# KiCad board rabbit_mask_capacitors_right.kicad_pcb (continued)
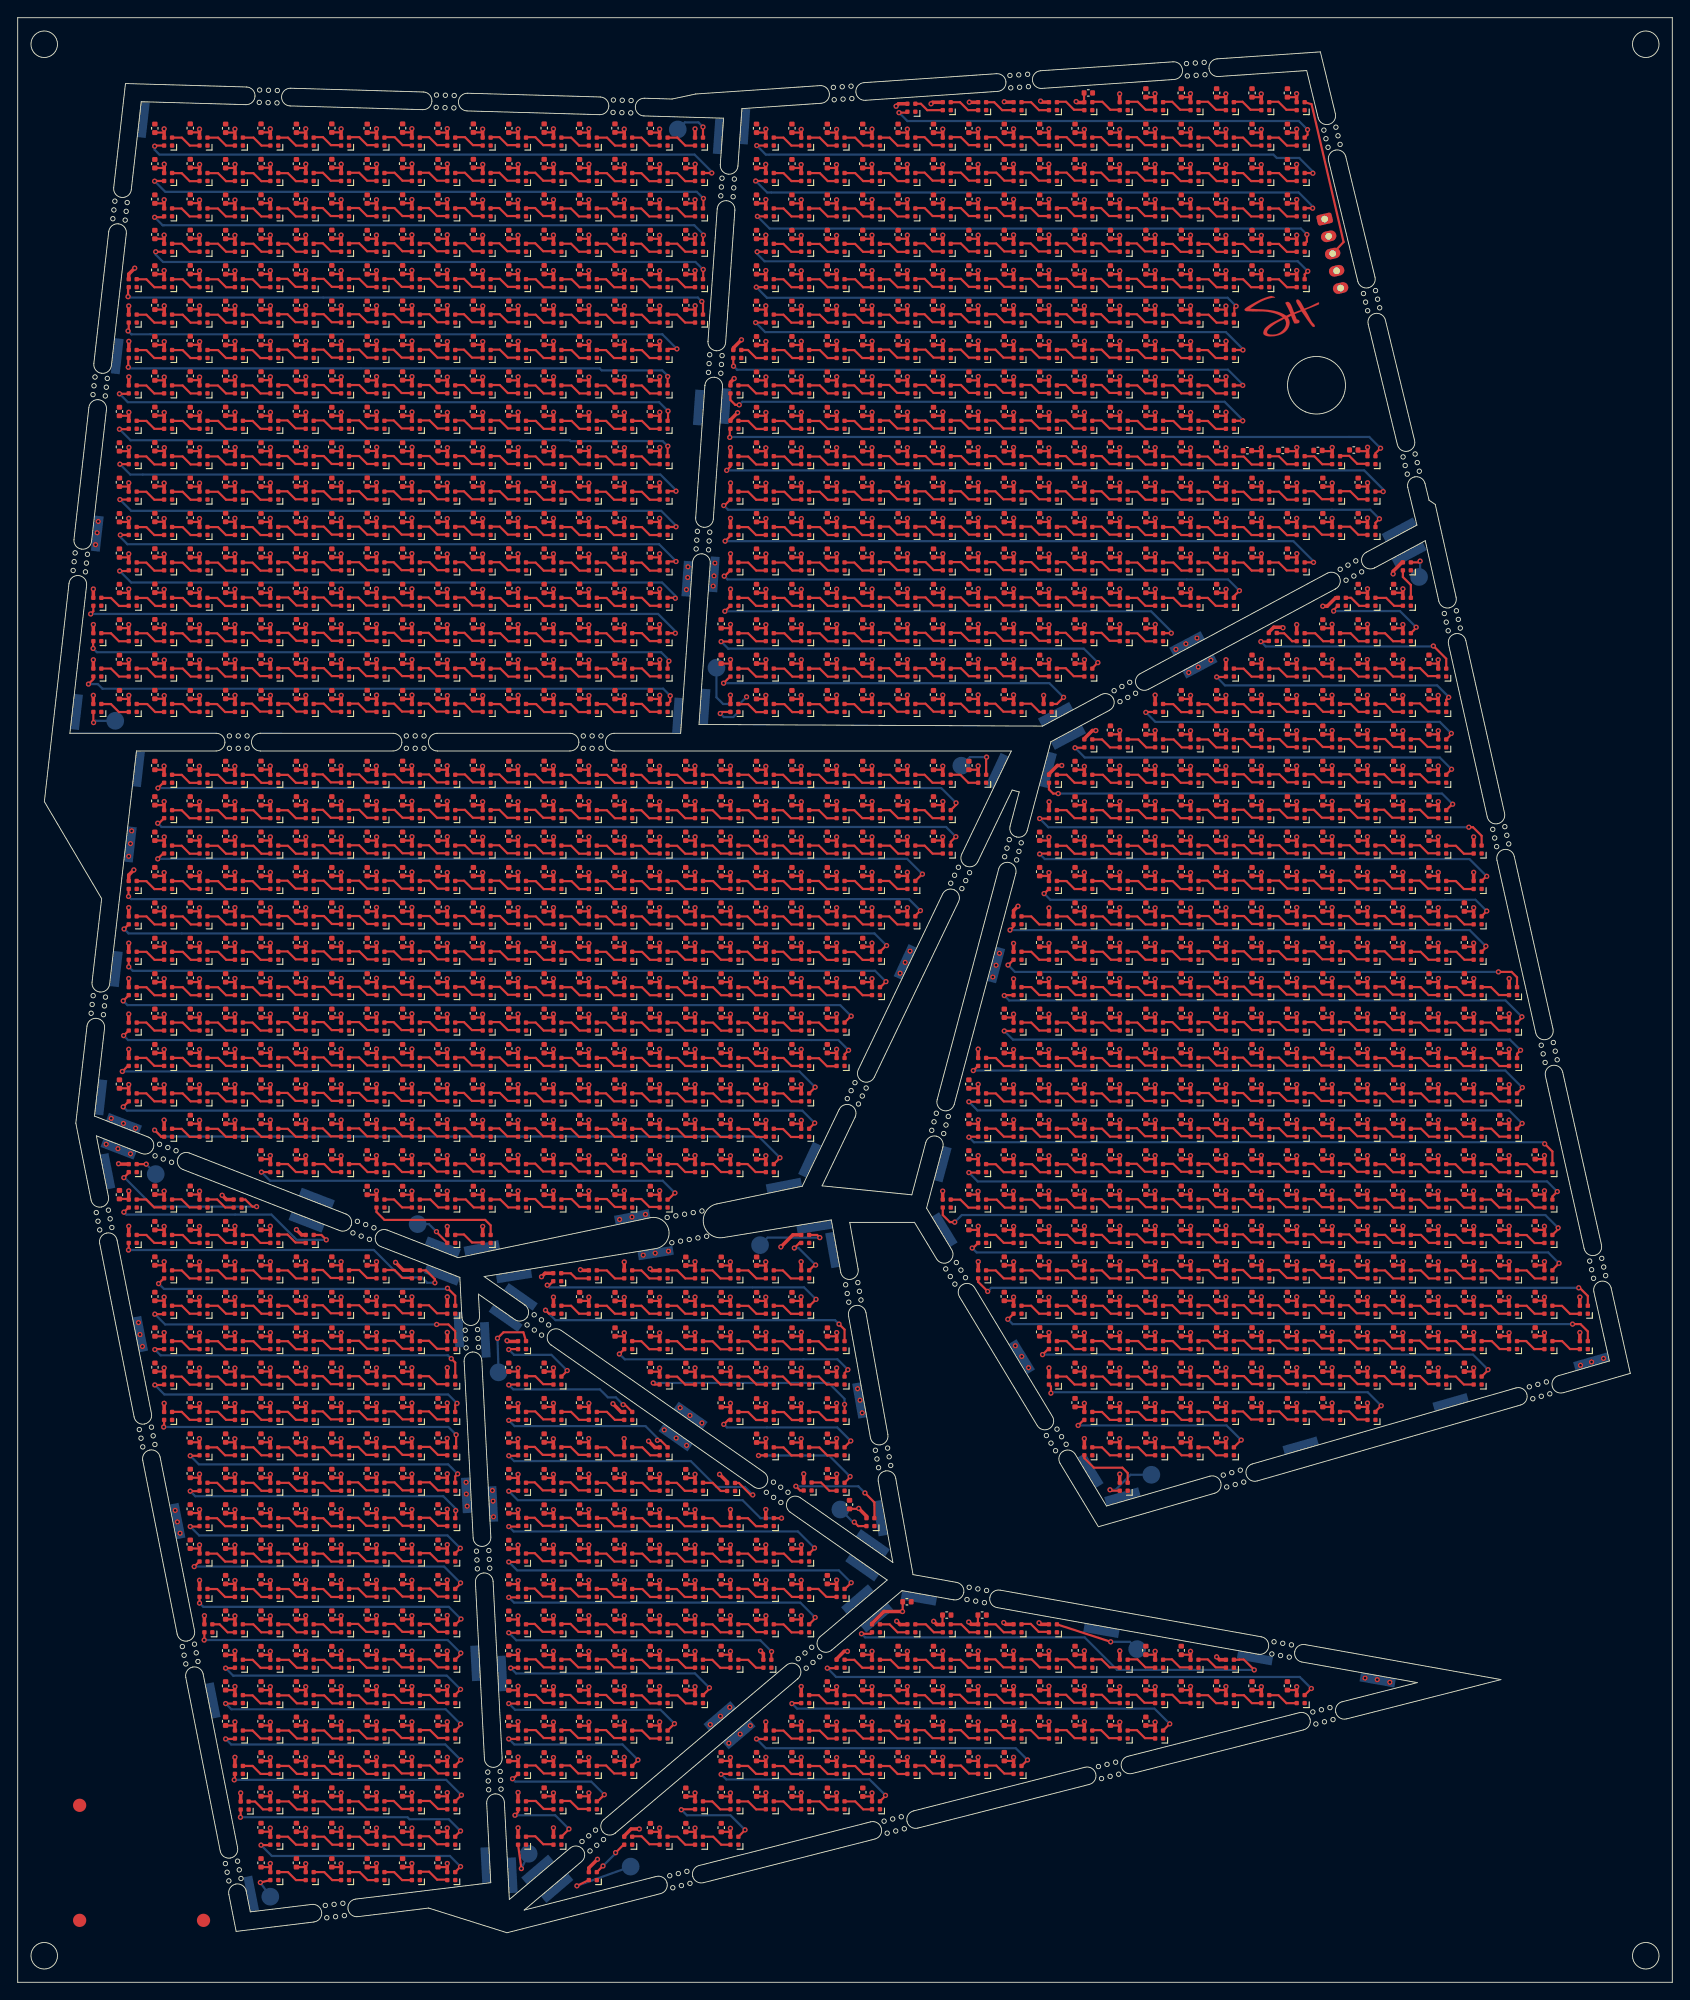
[diagram p0: board, top side]
## Routing (per net, layer and track width the routed paths; a pad name or vN(x,y) marks a point on that pad's centre or on a via; arc(x,y) is an arc through that point) (continued)
  Top w0.4: v1(107.55,212.45) 107.56,212.44 108.54,212.44 ; 96.55,32.43 v1(96.55,33.4) ; 60.56,188.47 v1(60.56,189.44) ; 56.55,40.43 v1(56.55,41.4) ; D2359.2 v1(140.55,109.43) ; D2907.2 v1(104.55,29.43) ; D2218.2 v1(156.55,125.42) ; 52.55,100.44 v1(52.55,101.42) ; 20.55,68.43 v1(20.55,69.4) ; 80.55,20.43 v1(80.55,21.4) ; 12.57,172.46 v1(12.57,173.44) ; D1930.2 v1(24.55,157.43) ; 120.55,188.44 v1(120.55,189.41) ; D2765.2 v1(40.55,53.43) ; D2242.2 v1(96.55,121.42) ; 132.54,212.44 v1(132.54,213.41) ; 16.55,108.41 v1(16.55,109.39) ; 48.55,160.42 v1(48.55,161.39) ; 96.56,164.45 v1(96.56,165.43) ; 88.55,200.44 v1(88.55,201.42) ; 100.55,200.47 v1(100.55,201.44) ; 152.54,88.43 v1(152.54,89.41) ; 160.55,136.46 v1(160.55,137.44) ; 88.54,204.43 v1(88.54,205.4) ; 144.55,136.46 v1(144.55,137.44) ; 104.55,172.44 v1(104.55,173.42) ; D1710.2 80.9,184.47 80.9,184.7 v1(81.8,185.6) ; 32.56,180.44 v1(32.56,181.41) ; 168.56,104.46 v1(168.56,105.44) ; 132.56,176.42 v1(132.56,177.39) ; 72.55,88.47 v1(72.55,89.45) ; 116.54,88.43 v1(116.54,89.41) ; 16.56,184.43 v1(16.56,185.4) ; 28.54,136.46 v1(28.54,137.44) ; D2621.2 v1(136.55,77.43) ; 40.55,16.45 v1(40.55,17.43) ; 20.55,84.44 v1(20.55,85.41) ; 136.55,136.43 v1(136.55,137.4) ; D2787.2 v1(64.55,49.43) ; 120.56,84.46 v1(120.56,85.44) ; 164.54,88.43 v1(164.54,89.41) ; 100.56,164.45 v1(100.56,165.43) ; D2906.2 v1(100.55,29.43) ; 156.55,68.43 v1(156.55,69.4) ; 64.55,120.44 v1(64.55,121.41) ; D2879.2 v1(104.55,33.43) ; 24.56,188.44 v1(24.56,189.42) ; 88.54,80.46 v1(88.54,81.43) ; 60.55,208.46 v1(60.55,209.44) ; 108.55,104.47 v1(108.55,105.45) ; 144.55,200.47 v1(144.55,201.44) ; 60.55,20.43 v1(60.55,21.4) ; 140.55,32.43 v1(140.55,33.4) ; 60.55,28.43 v1(60.55,29.4) ; 116.55,116.42 v1(116.55,117.4) ; D2880.2 v1(108.55,33.43) ; D2677.2 v1(76.55,69.43) ; 92.55,28.43 v1(92.55,29.4) ; 136.56,184.46 v1(136.56,185.44) ; 20.55,112.43 v1(20.55,113.4) ; D2178.2 v1(140.55,129.43) ; 100.56,160.45 v1(100.56,161.43) ; 84.54,204.45 v1(84.54,205.43) ; 48.55,152.43 v1(48.55,153.4) ; 132.56,80.46 v1(132.56,81.44) ; 116.55,100.44 v1(116.55,101.42) ; 104.55,144.47 v1(104.55,145.45) ; 136.56,160.43 v1(136.56,161.4) ; D2800.2 v1(44.55,45.43) ; D2966.2 v1(44.55,13.43) ; 140.55,144.47 v1(140.55,145.45) ; 32.56,184.45 v1(32.56,185.43) ; D2839.2 v1(40.55,37.43) ; D2607.2 v1(60.55,77.43) ; 140.55,92.47 v1(140.55,93.44) ; D2655.2 v1(140.55,73.43) ; v1(70.25,17.32) 69.33,17.32 68.55,16.55 68.55,16.43 ; 24.55,80.43 v1(24.55,81.4) ; 88.56,156.43 v1(88.56,157.41) ; 28.55,72.44 v1(28.55,73.41) ; 56.55,28.47 v1(56.55,29.45) ; 128.56,168.45 v1(128.56,169.43) ; D2049.2 v1(84.55,145.43) ; 24.55,84.46 v1(24.55,85.44) ; 48.55,132.47 v1(48.55,133.45) ; 116.56,164.43 v1(116.56,165.4) ; 84.56,184.44 v1(84.56,185.41) ; 24.55,200.43 v1(24.55,201.4) ; 88.55,64.43 v1(88.55,65.4) ; 68.55,104.44 v1(68.55,105.41) ; D2220.2 v1(164.55,125.42) ; D2264.2 v1(36.55,117.42) ; 144.55,32.43 v1(144.55,33.4) ; D2841.2 v1(48.55,37.43) ; v1(111.44,40.65) 111.64,40.45 D2833.2 ; 84.56,152.44 v1(84.56,153.41) ; 48.55,196.49 v1(48.55,197.46) ; 156.54,144.44 v1(156.54,145.42) ; D1965.2 v1(24.55,153.43) ; 128.56,80.46 v1(128.56,81.44) ; 16.55,124.42 v1(16.55,125.4) ; 124.55,188.44 v1(124.55,189.41) ; D2780.2 v1(32.55,49.43) ; 44.56,128.47 v1(44.56,129.45) ; D2057.2 v1(115.95,145.43) ; 128.55,108.43 v1(128.55,109.4) ; 68.55,164.43 v1(68.55,165.4) ; 60.56,204.47 v1(60.56,205.44) ; D1995.2 v1(156.55,153.43) ; 156.56,84.46 v1(156.56,85.44) ; 44.56,184.47 v1(44.56,185.45) ; 72.56,148.46 v1(72.56,149.44) ; D2537.2 v1(168.55,89.43) ; 68.55,192.43 v1(68.55,193.4) ; D2185.2 12.55,125.12 v1(13.12,125.7) ; D2247.2 v1(124.55,121.42) ; 12.55,120.46 v1(12.55,121.44) ; 80.55,120.42 v1(80.55,121.4) ; 92.54,204.43 v1(92.54,205.4) ; 68.56,144.43 v1(68.56,145.4) ; 104.56,176.47 v1(104.56,177.44) ; 20.55,164.43 v1(20.55,165.4) ; 40.56,184.47 v1(40.56,185.45) ; 36.55,108.44 v1(36.55,109.41) ; 104.56,148.5 v1(104.56,149.47) ; 40.56,180.47 v1(40.56,181.44) ; 52.56,184.43 v1(52.56,185.4) ; 104.55,200.47 v1(104.55,201.44) ; D2517.2 v1(60.55,89.43) ; 148.55,92.41 v1(148.55,93.39) ; 72.55,76.43 v1(72.55,77.4) ; 40.55,72.44 v1(40.55,73.41) ; D2387.2 v1(92.55,105.43) ; 20.55,72.41 v1(20.55,73.39) ; 32.57,172.46 v1(32.57,173.44) ; D2700.2 v1(36.55,65.43) ; 28.55,16.45 v1(28.55,17.43) ; D2279.2 v1(96.55,117.42) ; 136.54,204.43 v1(136.54,205.4) ; D2399.2 v1(152.55,105.43) ; 120.55,68.43 v1(120.55,69.4) ; 124.56,96.45 v1(124.56,97.43) ; 116.56,80.44 v1(116.56,81.41) ; 72.55,44.43 v1(72.55,45.4) ; 28.55,44.43 v1(28.55,45.4) ; 140.56,148.5 v1(140.56,149.47) ; 44.55,168.49 v1(44.55,169.46) ; 100.55,172.44 v1(100.55,173.42) ; 28.55,108.44 v1(28.55,109.41) ; 36.55,104.46 v1(36.55,105.44) ; 24.56,204.44 v1(24.56,205.42) ; D2355.2 v1(124.55,109.43) ; 44.55,68.47 v1(44.55,69.45) ; 136.55,192.43 v1(136.55,193.4) ; D2654.2 v1(136.55,73.43) ; 80.55,52.45 v1(80.55,53.43) ; 108.55,172.47 v1(108.55,173.44) ; 92.55,192.43 v1(92.55,193.4) ; 128.55,140.47 v1(128.55,141.45) ; D2182.2 v1(156.55,129.43) ; 52.55,156.43 v1(52.55,157.4) ; D1860.2 v1(24.55,165.43) ; D2516.2 v1(56.55,89.43) ; 44.55,196.49 v1(44.55,197.46) ; 12.55,160.44 v1(12.55,161.42) ; 84.56,176.42 v1(84.56,177.39) ; 148.56,172.46 v1(148.56,173.44) ; 40.56,204.47 v1(40.56,205.44) ; 72.56,144.45 v1(72.56,145.43) ; 92.55,196.43 v1(92.55,197.4) ; 56.57,172.46 v1(56.57,173.44) ; 120.55,136.43 v1(120.55,137.4) ; D2804.2 v1(64.55,45.43) ; 72.55,100.47 v1(72.55,101.44) ; D2204.2 v1(88.55,125.42) ; 120.56,96.43 v1(120.56,97.4) ; 72.55,160.44 v1(72.55,161.42) ; D2184.2 v1(164.55,129.43) ; 64.55,20.43 v1(64.55,21.4) ; 48.57,172.44 v1(48.57,173.41) ; 68.55,132.43 v1(68.55,133.4) ; 144.56,172.46 v1(144.56,173.44) ; 48.55,44.47 v1(48.55,45.45) ; 56.55,44.43 v1(56.55,45.4) ; 160.56,96.46 v1(160.56,97.44) ; 60.55,36.43 v1(60.55,37.4) ; D2805.2 v1(68.55,45.43) ; 92.55,144.47 v1(92.55,145.45) ; D2797.2 v1(32.55,45.43) ; 92.55,68.44 v1(92.55,69.41) ; 24.55,100.47 v1(24.55,101.44) ; 128.56,96.45 v1(128.56,97.43) ; 16.55,160.42 v1(16.55,161.39) ; 72.55,40.43 v1(72.55,41.4) ; D2818.2 v1(44.55,41.43) ; 80.56,96.45 v1(80.56,97.43) ; D1643.2 v1(84.55,193.43) ; 152.54,148.5 v1(152.54,149.47) ; 108.56,160.47 v1(108.56,161.45) ; D1639.2 v1(64.55,193.43) ; 20.55,64.43 v1(20.55,65.4) ; 12.56,144.45 v1(12.56,145.43) ; 68.56,128.43 v1(68.56,129.4) ; 20.55,120.44 v1(20.55,121.41) ; 40.55,196.46 v1(40.55,197.44) ; 24.55,76.43 v1(24.55,77.4) ; 80.56,180.43 80.56,180.81 v1(80.98,181.22) ; 44.55,192.47 v1(44.55,193.45) ; 92.55,112.44 v1(92.55,113.41) ; 28.56,184.45 v1(28.56,185.43) ; D2564.2 v1(172.55,85.43) ; D2256.2 v1(160.55,121.42) ; 72.55,68.43 v1(72.55,69.4) ; D2671.2 v1(40.55,69.43) ; v1(83.95,37.45) 84.27,37.12 D2849.2 ; 128.55,104.43 v1(128.55,105.4) ; 104.55,40.43 103.88,40.43 v1(103.52,40.79) ; D2570.2 v1(36.55,81.43) ; 16.55,112.43 v1(16.55,113.4) ; 96.56,184.46 v1(96.56,185.44) ; 128.56,180.43 v1(128.56,181.4) ; v1(119.62,212.53) 119.74,212.41 120.54,212.41 ; 16.56,128.45 v1(16.56,129.43) ; 32.55,84.46 32.09,84.46 v1(31.5,85.05) ; 48.55,52.47 v1(48.55,53.45) ; 136.56,96.43 v1(136.56,97.4) ; D2480.2 v1(44.55,93.43) ; 68.56,188.44 v1(68.56,189.42) ; D2661.2 v1(164.55,73.43) ; 80.56,160.45 v1(80.56,161.43) ; 28.55,160.44 v1(28.55,161.42) ; D2391.2 v1(120.55,105.43) ; 112.55,208.45 v1(112.55,209.43) ; D2920.2 v1(48.55,25.43) ; 164.55,92.41 v1(164.55,93.39) ; 44.55,116.47 v1(44.55,117.45) ; 24.55,40.43 v1(24.55,41.4) ; 48.55,16.45 v1(48.55,17.43) ; 84.54,80.43 v1(84.54,81.41) ; 48.55,56.47 v1(48.55,57.45) ; 124.55,172.44 v1(124.55,173.42) ; 72.55,48.43 v1(72.55,49.4) ; 112.55,116.42 v1(112.55,117.4) ; 88.56,176.44 v1(88.56,177.42) ; 32.55,72.44 v1(32.55,73.41) ; 88.56,180.45 v1(88.56,181.43) ; 120.55,36.47 v1(120.55,37.45) ; 20.55,80.43 v1(20.55,81.4) ; 60.57,172.46 v1(60.57,173.44) ; 136.56,168.43 v1(136.56,169.4) ; 76.55,52.43 v1(76.55,53.4) ; 72.55,108.44 v1(72.55,109.41) ; 84.55,112.41 v1(84.55,113.39) ; D2120.2 v1(40.55,133.43) ; 144.56,160.46 v1(144.56,161.44) ; 92.56,152.46 v1(92.56,153.44) ; 148.55,132.47 v1(148.55,133.44) ; D2119.2 v1(36.55,133.43) ; 76.55,208.46 v1(76.55,209.44) ; 120.55,28.47 v1(120.55,29.45) ; D1613.2 v1(100.55,197.43) ; 116.55,128.43 v1(116.55,129.4) ; D2618.2 v1(124.55,77.43) ; 72.55,208.44 v1(72.55,209.41) ; 44.55,112.47 v1(44.55,113.45) ; 32.55,20.43 v1(32.55,21.4) ; 96.55,20.43 v1(96.55,21.4) ; 144.56,80.44 v1(144.56,81.41) ; 60.55,104.46 v1(60.55,105.44) ; 28.55,104.46 v1(28.55,105.44) ; 116.56,84.44 v1(116.56,85.41) ; v1(99.27,212) 99.55,212.28 D1485.2 ; D2237.2 v1(76.55,121.42) ; 52.55,124.42 v1(52.55,125.4) ; 92.55,20.43 v1(92.55,21.4) ; D2626.2 v1(156.55,77.43) ; 28.56,176.44 v1(28.56,177.42) ; 92.56,164.45 v1(92.56,165.43) ; 32.55,104.46 v1(32.55,105.44) ; 108.55,188.46 v1(108.55,189.44) ; 48.56,144.43 v1(48.56,145.4) ; D2077.2 v1(160.55,141.43) ; D2250.2 v1(136.55,121.42) ; 112.55,188.49 v1(112.55,189.46) ; v1(118,137.5) 117.5,137.5 116.55,136.55 116.55,136.43 ; 48.55,108.41 v1(48.55,109.39) ; v1(107.48,40.71) 107.74,40.45 D2832.2 ; 92.55,200.44 v1(92.55,201.42) ; 72.54,60.44 72.01,60.44 v1(71.3,61.15) ; 24.56,128.43 v1(24.56,129.4) ; D1974.2 v1(60.55,153.43) ; 56.55,96.44 v1(56.55,97.41) ; 144.55,132.44 v1(144.55,133.42) ; 16.56,144.43 v1(16.56,145.4) ; 80.55,100.44 v1(80.55,101.42) ; 120.56,148.47 v1(120.56,149.44) ; 24.55,192.43 v1(24.55,193.4) ; 132.54,88.46 v1(132.54,89.43) ; 120.56,180.45 v1(120.56,181.43) ; 36.55,96.46 v1(36.55,97.44) ; D2708.2 v1(80.55,65.43) ; 32.55,120.46 v1(32.55,121.44) ; 148.56,168.44 v1(148.56,169.42) ; D2649.2 v1(116.55,73.43) ; D2169.2 v1(96.55,129.43) ; 60.55,48.43 v1(60.55,49.4) ; D2652.2 v1(128.55,73.43) ; D2752.2 v1(64.55,57.43) ; 152.55,68.43 v1(152.55,69.4) ; 64.55,100.44 v1(64.55,101.42) ; D2817.2 v1(40.55,41.43) ; D2273.2 v1(72.55,117.42) ; 116.54,204.47 v1(116.54,205.45) ; 68.55,124.42 v1(68.55,125.4) ; 156.55,132.44 v1(156.55,133.42) ; 28.57,172.46 v1(28.57,173.44) ; 80.55,24.43 v1(80.55,25.4) ; 44.56,180.47 v1(44.56,181.44) ; D2718.2 v1(144.55,65.43) ; 44.55,80.47 43.58,80.47 v1(42.71,81.35) ; v1(147.5,155.5) 148,155.5 148.95,156.45 D1958.2 ; 132.55,200.47 v1(132.55,201.44) ; 44.55,96.49 v1(44.55,97.46) ; D2717.2 v1(140.55,65.43) ; 16.55,104.44 v1(16.55,105.41) ; 116.55,104.43 v1(116.55,105.4) ; D2938.2 v1(40.55,21.43) ; 16.55,96.46 v1(16.55,97.44) ; 124.56,156.45 v1(124.56,157.43) ; 160.54,88.41 v1(160.54,89.38) ; 52.55,192.43 v1(52.55,193.4) ; D2283.2 v1(124.55,117.42) ; 16.56,188.47 v1(16.56,189.44) ; v1(71.48,80.62) 71.68,80.43 72.55,80.43 ; D2753.2 v1(68.55,57.43) ; 120.55,208.41 v1(120.55,209.38) ; 44.55,120.48 v1(44.55,121.46) ; 48.55,40.47 v1(48.55,41.45) ; D2305.2 v1(56.55,113.43) ; 40.54,60.46 v1(40.54,61.44) ; 48.55,168.44 v1(48.55,169.41) ; 84.55,100.44 v1(84.55,101.42) ; 112.55,200.5 v1(112.55,201.47) ; 124.56,168.45 v1(124.56,169.43) ; 44.55,156.47 v1(44.55,157.45) ; 108.55,100.5 v1(108.55,101.47) ; 44.55,108.47 v1(44.55,109.44) ; D2282.2 v1(120.55,117.42) ; 132.55,36.43 v1(132.55,37.4) ; 44.56,188.5 v1(44.56,189.47) ; 68.55,96.44 v1(68.55,97.41) ; 132.56,132.43 v1(132.56,133.4) ; v1(81.37,177.37) 80.56,176.56 80.56,176.42 ; 88.56,164.43 v1(88.56,165.4) ; 100.56,152.46 v1(100.56,153.44) ; 60.55,52.43 v1(60.55,53.4) ; 108.56,176.47 v1(108.56,177.44) ; 100.56,180.45 v1(100.56,181.43) ; 128.55,172.44 v1(128.55,173.42) ; D2170.2 v1(100.55,129.43) ; 20.55,100.44 v1(20.55,101.42) ; 100.54,204.45 v1(100.54,205.43) ; 128.55,124.42 v1(128.55,125.4) ; 116.55,120.42 v1(116.55,121.4) ; 32.55,208.46 v1(32.55,209.44) ; 136.56,132.43 v1(136.56,133.4) ; 28.56,148.46 v1(28.56,149.44) ; 104.56,168.45 v1(104.56,169.43) ; 108.56,80.46 v1(108.56,81.44) ; 24.55,160.44 v1(24.55,161.42) ; 104.56,180.47 v1(104.56,181.45) ; 56.55,64.43 v1(56.55,65.4) ; D2815.2 v1(32.55,41.43) ; 64.55,168.44 v1(64.55,169.41) ; D2660.2 v1(160.55,73.43) ; 148.55,136.49 v1(148.55,137.46) ; 84.55,104.43 v1(84.55,105.4) ; 28.55,196.46 v1(28.55,197.44) ; 52.55,152.43 v1(52.55,153.4) ; 144.55,72.47 v1(144.55,73.45) ; 124.55,28.43 v1(124.55,29.4) ; D1868.2 v1(56.55,165.43) ; D2685.2 v1(128.55,69.43) ; 24.56,180.44 v1(24.56,181.41) ; 112.56,156.48 v1(112.56,157.45) ; 116.56,160.43 v1(116.56,161.4) ; 68.56,184.43 v1(68.56,185.4) ; 32.55,96.46 v1(32.55,97.44) ; 108.56,164.47 v1(108.56,165.45) ; D2171.2 v1(104.55,129.43) ; D2383.2 v1(76.55,105.43) ; D2747.2 v1(40.55,57.43) ; 84.56,72.46 v1(84.56,73.44) ; D1642.2 v1(76.55,193.43) ; D1992.2 v1(144.55,153.43) ; 32.55,160.44 v1(32.55,161.42) ; 72.56,180.44 v1(72.56,181.41) ; D2682.2 v1(116.55,69.43) ; 36.55,100.47 v1(36.55,101.44) ; 72.55,196.44 v1(72.55,197.41) ; 56.55,200.43 v1(56.55,201.4) ; 104.56,184.49 v1(104.56,185.46) ; 24.55,168.46 v1(24.55,169.44) ; D2873.2 v1(72.55,33.43) ; 60.55,120.46 v1(60.55,121.44) ; 36.54,60.46 v1(36.54,61.44) ; 24.55,132.43 v1(24.55,133.4) ; D2474.2 v1(168.55,97.43) ; 20.56,188.44 v1(20.56,189.42) ; 28.55,208.46 v1(28.55,209.44) ; 156.55,160.46 156.46,160.46 155.45,159.45 v1(155.45,159.15) ; 28.55,168.46 v1(28.55,169.44) ; D2191.2 v1(36.55,125.42) ; D2823.2 v1(68.55,41.43) ; 100.56,148.5 v1(100.56,149.47) ; D2902.2 v1(84.55,29.43) ; D2799.2 v1(40.55,45.43) ; 52.55,132.43 v1(52.55,133.4) ; 88.56,160.43 v1(88.56,161.4) ; 152.55,136.49 v1(152.55,137.46) ; 76.55,36.43 v1(76.55,37.4) ; 52.55,116.42 v1(52.55,117.4) ; 44.55,100.5 v1(44.55,101.47) ; 56.55,108.44 v1(56.55,109.41) ; D2205.2 v1(92.55,125.42) ; 104.54,212.44 103.39,212.44 v1(103.22,212.27) ; 120.55,112.44 v1(120.55,113.41) ; 64.55,152.43 v1(64.55,153.4) ; 68.55,64.43 68.23,64.43 v1(67.27,65.38) ; D1973.2 v1(56.55,153.43) ; D2209.2 v1(120.55,125.42) ; 56.55,68.43 v1(56.55,69.4) ; 124.56,164.45 v1(124.56,165.43) ; D2197.2 v1(60.55,125.42) ; 92.56,72.44 v1(92.56,73.41) ; 128.55,116.42 v1(128.55,117.4) ; 140.55,196.43 v1(140.55,197.4) ; 60.55,196.46 v1(60.55,197.44) ; 24.55,108.44 v1(24.55,109.41) ; 84.56,40.44 v1(84.56,41.41) ; 92.56,148.5 v1(92.56,149.47) ; 144.54,148.47 v1(144.54,149.44) ; 48.56,204.5 v1(48.56,205.47) ; 124.56,160.45 v1(124.56,161.43) ; 64.56,188.47 v1(64.56,189.44) ; 60.56,128.45 v1(60.56,129.43) ; 52.54,136.44 v1(52.54,137.41) ; D2262.2 v1(28.55,117.42) ; 52.57,172.44 v1(52.57,173.41) ; 96.56,148.5 v1(96.56,149.47) ; 108.56,84.46 v1(108.56,85.44) ; 132.56,168.43 v1(132.56,169.4) ; D2059.2 v1(132.55,145.43) ; v1(115.43,40.62) 115.6,40.45 D2834.2 ; 112.54,204.47 v1(112.54,205.45) ; D2347.2 v1(76.55,109.43) ; 92.56,160.45 v1(92.56,161.43) ; 84.55,208.43 v1(84.55,209.41) ; D1889.2 v1(144.55,165.43) ; D2894.2 v1(40.55,29.43) ; 48.56,148.44 v1(48.56,149.41) ; 104.56,152.46 v1(104.56,153.44) ; 80.55,172.44 v1(80.55,173.42) ; 44.55,88.43 v1(44.55,89.4) ; 44.56,204.5 v1(44.56,205.47) ; D1961.2 v1(8.55,153.43) ; 44.56,148.49 v1(44.56,149.46) ; D2126.2 v1(64.55,133.43) ; 48.56,180.41 v1(48.56,181.39) ; D2746.2 v1(36.55,57.43) ; D1631.2 v1(32.55,193.43) ; 84.56,96.43 v1(84.56,97.4) ; 20.54,136.44 v1(20.54,137.41) ; 24.55,120.46 v1(24.55,121.44) ; 52.56,188.44 v1(52.56,189.42) ; D1862.2 v1(32.55,165.43) ; 88.55,192.43 v1(88.55,193.4) ; D1977.2 v1(72.55,153.43) ; 44.55,76.47 v1(44.55,77.45) ; D2895.2 v1(44.55,29.43) ; 160.55,132.44 v1(160.55,133.42) ; 48.56,184.43 v1(48.56,185.4) ; 60.55,92.47 v1(60.55,93.45) ; 48.55,208.49 v1(48.55,209.46) ; 24.55,104.46 v1(24.55,105.44) ; 24.55,52.43 v1(24.55,53.4) ; D2816.2 v1(36.55,41.43) ; 12.55,100.47 v1(12.55,101.44) ; 88.56,184.46 v1(88.56,185.44) ; 140.55,140.47 v1(140.55,141.45) ; 140.56,96.45 v1(140.56,97.43) ; 68.55,76.43 v1(68.55,77.4) ; 112.56,180.43 v1(112.56,181.4) ; 120.55,196.43 v1(120.55,197.4) ; D2890.2 v1(24.55,29.43) ; 112.56,96.47 v1(112.56,97.45) ; 100.56,184.46 v1(100.56,185.44) ; 40.55,152.47 v1(40.55,153.45) ; 40.55,124.47 v1(40.55,125.45) ; 88.55,188.44 v1(88.55,189.41) ; 96.56,176.44 v1(96.56,177.42) ; 20.55,124.42 v1(20.55,125.4) ; 160.56,84.44 v1(160.56,85.41) ; D2129.2 v1(76.55,133.43) ; v1(23.1,88.93) 23.58,88.45 D2511.2 ; 160.55,92.41 v1(160.55,93.39) ; 124.56,180.45 v1(124.56,181.43) ; 44.55,64.47 v1(44.55,65.45) ; 132.56,184.44 v1(132.56,185.41) ; 16.55,156.43 v1(16.55,157.4) ; 148.55,112.47 v1(148.55,113.44) ; D2862.2 v1(24.55,33.43) ; 148.55,152.47 v1(148.55,153.45) ; 56.55,24.47 v1(56.55,25.45) ; D1648.2 v1(104.55,193.43) ; 80.55,112.41 v1(80.55,113.39) ; 36.55,16.43 v1(36.55,17.4) ; D2611.2 v1(76.55,77.43) ; D2855.2 v1(112.55,37.43) ; 52.55,160.42 v1(52.55,161.39) ; 60.54,60.44 v1(60.54,61.41) ; 116.55,208.45 v1(116.55,209.43) ; 152.55,64.47 v1(152.55,65.45) ; D2917.2 v1(36.55,25.43) ; D2097.2 v1(92.55,137.43) ; D2962.2 v1(28.55,13.43) ; 52.56,180.41 v1(52.56,181.39) ; 28.55,36.43 v1(28.55,37.4) ; 88.55,112.44 v1(88.55,113.41) ; 64.55,28.43 v1(64.55,29.4) ; D2174.2 v1(124.55,129.43) ; D2694.2 v1(164.55,69.43) ; 44.57,172.49 v1(44.57,173.46) ; D2810.2 v1(88.55,45.43) ; 140.55,172.44 v1(140.55,173.42) ; D2781.2 v1(36.55,49.43) ; 80.55,16.43 v1(80.55,17.4) ; 24.55,96.44 v1(24.55,97.41) ; 144.55,108.47 v1(144.55,109.45) ; D2706.2 v1(64.55,65.43) ; 20.55,196.44 v1(20.55,197.41) ; D2070.2 v1(132.55,141.43) ; D2826.2 v1(80.55,41.43) ; 68.55,156.43 v1(68.55,157.4) ; 56.56,144.45 v1(56.56,145.43) ; 148.54,144.47 v1(148.54,145.44) ; 20.55,104.44 v1(20.55,105.41) ; 12.55,104.46 v1(12.55,105.44) ; D2665.2 v1(16.55,69.43) ; 60.56,176.44 v1(60.56,177.42) ; 88.55,172.42 v1(88.55,173.39) ; 72.56,188.44 v1(72.56,189.42) ; 128.55,36.43 v1(128.55,37.4) ; 116.55,28.47 v1(116.55,29.45) ; D1869.2 v1(60.55,165.43) ; 80.55,92.43 v1(80.55,93.4) ; 36.56,176.44 v1(36.56,177.42) ; D1890.2 v1(148.55,165.43) ; 84.56,160.43 v1(84.56,161.4) ; 172.55,88.46 v1(172.55,89.44) ; D2630.2 v1(172.55,77.43) ; 40.55,108.47 v1(40.55,109.44) ; 160.56,104.46 v1(160.56,105.44) ; 64.55,196.46 v1(64.55,197.44) ; 100.55,40.43 99.71,40.43 v1(99.34,40.8) ; D2257.2 v1(164.55,121.42) ; 48.55,120.44 v1(48.55,121.41) ; 92.56,56.45 v1(92.56,57.43) ; 152.56,84.46 v1(152.56,85.44) ; D2350.2 v1(88.55,109.43) ; 28.56,128.45 v1(28.56,129.43) ; 132.56,180.43 v1(132.56,181.4) ; D1573.2 v1(64.55,201.43) ; 92.56,168.45 v1(92.56,169.43) ; 132.55,60.46 v1(132.55,61.44) ; 160.54,144.44 v1(160.54,145.42) ; 76.56,188.47 v1(76.56,189.44) ; D2845.2 v1(68.55,37.43) ; 144.55,116.47 v1(144.55,117.45) ; 80.56,168.45 v1(80.56,169.43) ; 92.56,156.45 v1(92.56,157.43) ; 24.55,72.41 v1(24.55,73.39) ; 80.56,164.45 v1(80.56,165.43) ; 72.56,128.43 v1(72.56,129.4) ; 136.56,156.43 v1(136.56,157.41) ; 140.54,212.41 v1(140.54,213.39) ; 60.56,180.44 v1(60.56,181.41) ; 116.54,212.47 115.71,212.47 v1(115.6,212.57) ; D2287.2 v1(140.55,117.42) ; 40.55,112.47 v1(40.55,113.45) ; 56.56,184.45 v1(56.56,185.43) ; D2270.2 v1(60.55,117.42) ; 88.55,136.43 v1(88.55,137.4) ; 68.55,52.45 v1(68.55,53.43) ; 96.56,132.45 v1(96.56,133.43) ; 64.55,164.43 v1(64.55,165.4) ; 140.55,200.44 v1(140.55,201.42) ; 128.55,64.43 v1(128.55,65.4) ; D2695.2 v1(16.55,65.43) ; 148.55,108.47 v1(148.55,109.45) ; D2255.2 v1(156.55,121.42) ; D2117.2 v1(28.55,133.43) ; 152.55,112.44 v1(152.55,113.41) ; D2073.2 v1(144.55,141.43) ; 164.56,108.46 v1(164.56,109.44) ; 132.55,128.43 v1(132.55,129.4) ; 96.56,156.45 v1(96.56,157.43) ; 88.56,40.44 v1(88.56,41.41) ; 88.55,208.41 v1(88.55,209.38) ; 56.55,16.48 v1(56.55,17.45) ; 20.55,192.43 v1(20.55,193.4) ; D2050.2 v1(88.55,145.43) ; 68.55,80.43 v1(68.55,81.4) ; 84.56,164.43 v1(84.56,165.4) ; 36.55,12.43 v1(36.55,13.4) ; D2100.2 v1(104.55,137.43) ; 28.56,180.44 v1(28.56,181.41) ; 144.55,68.47 v1(144.55,69.45) ; 156.55,136.46 v1(156.55,137.44) ; 48.55,76.47 v1(48.55,77.45) ; D2601.2 v1(28.55,77.43) ; D2293.2 v1(164.55,117.42) ; 152.55,156.49 v1(152.55,157.46) ; 72.55,96.44 v1(72.55,97.41) ; 48.55,68.47 v1(48.55,69.45) ; D2809.2 v1(84.55,45.43) ; D2846.2 v1(72.55,37.43) ; 116.56,96.43 v1(116.56,97.4) ; D1627.2 v1(16.55,193.43) ; 52.56,148.44 v1(52.56,149.41) ; 68.55,112.43 v1(68.55,113.4) ; 112.56,80.44 v1(112.56,81.41) ; 120.55,192.43 v1(120.55,193.4) ; 128.55,112.41 v1(128.55,113.39) ; 68.55,108.41 v1(68.55,109.39) ; D2515.2 v1(52.55,89.43) ; D2251.2 v1(140.55,121.42) ; 152.55,92.44 v1(152.55,93.41) ; 148.56,80.44 v1(148.56,81.41) ; 148.55,128.47 v1(148.55,129.45) ; 148.54,148.5 v1(148.54,149.47) ; 152.54,144.47 